# Allegro board AM335x_ICE_3H0013_PCB_REV_2_1A.brd (continued)
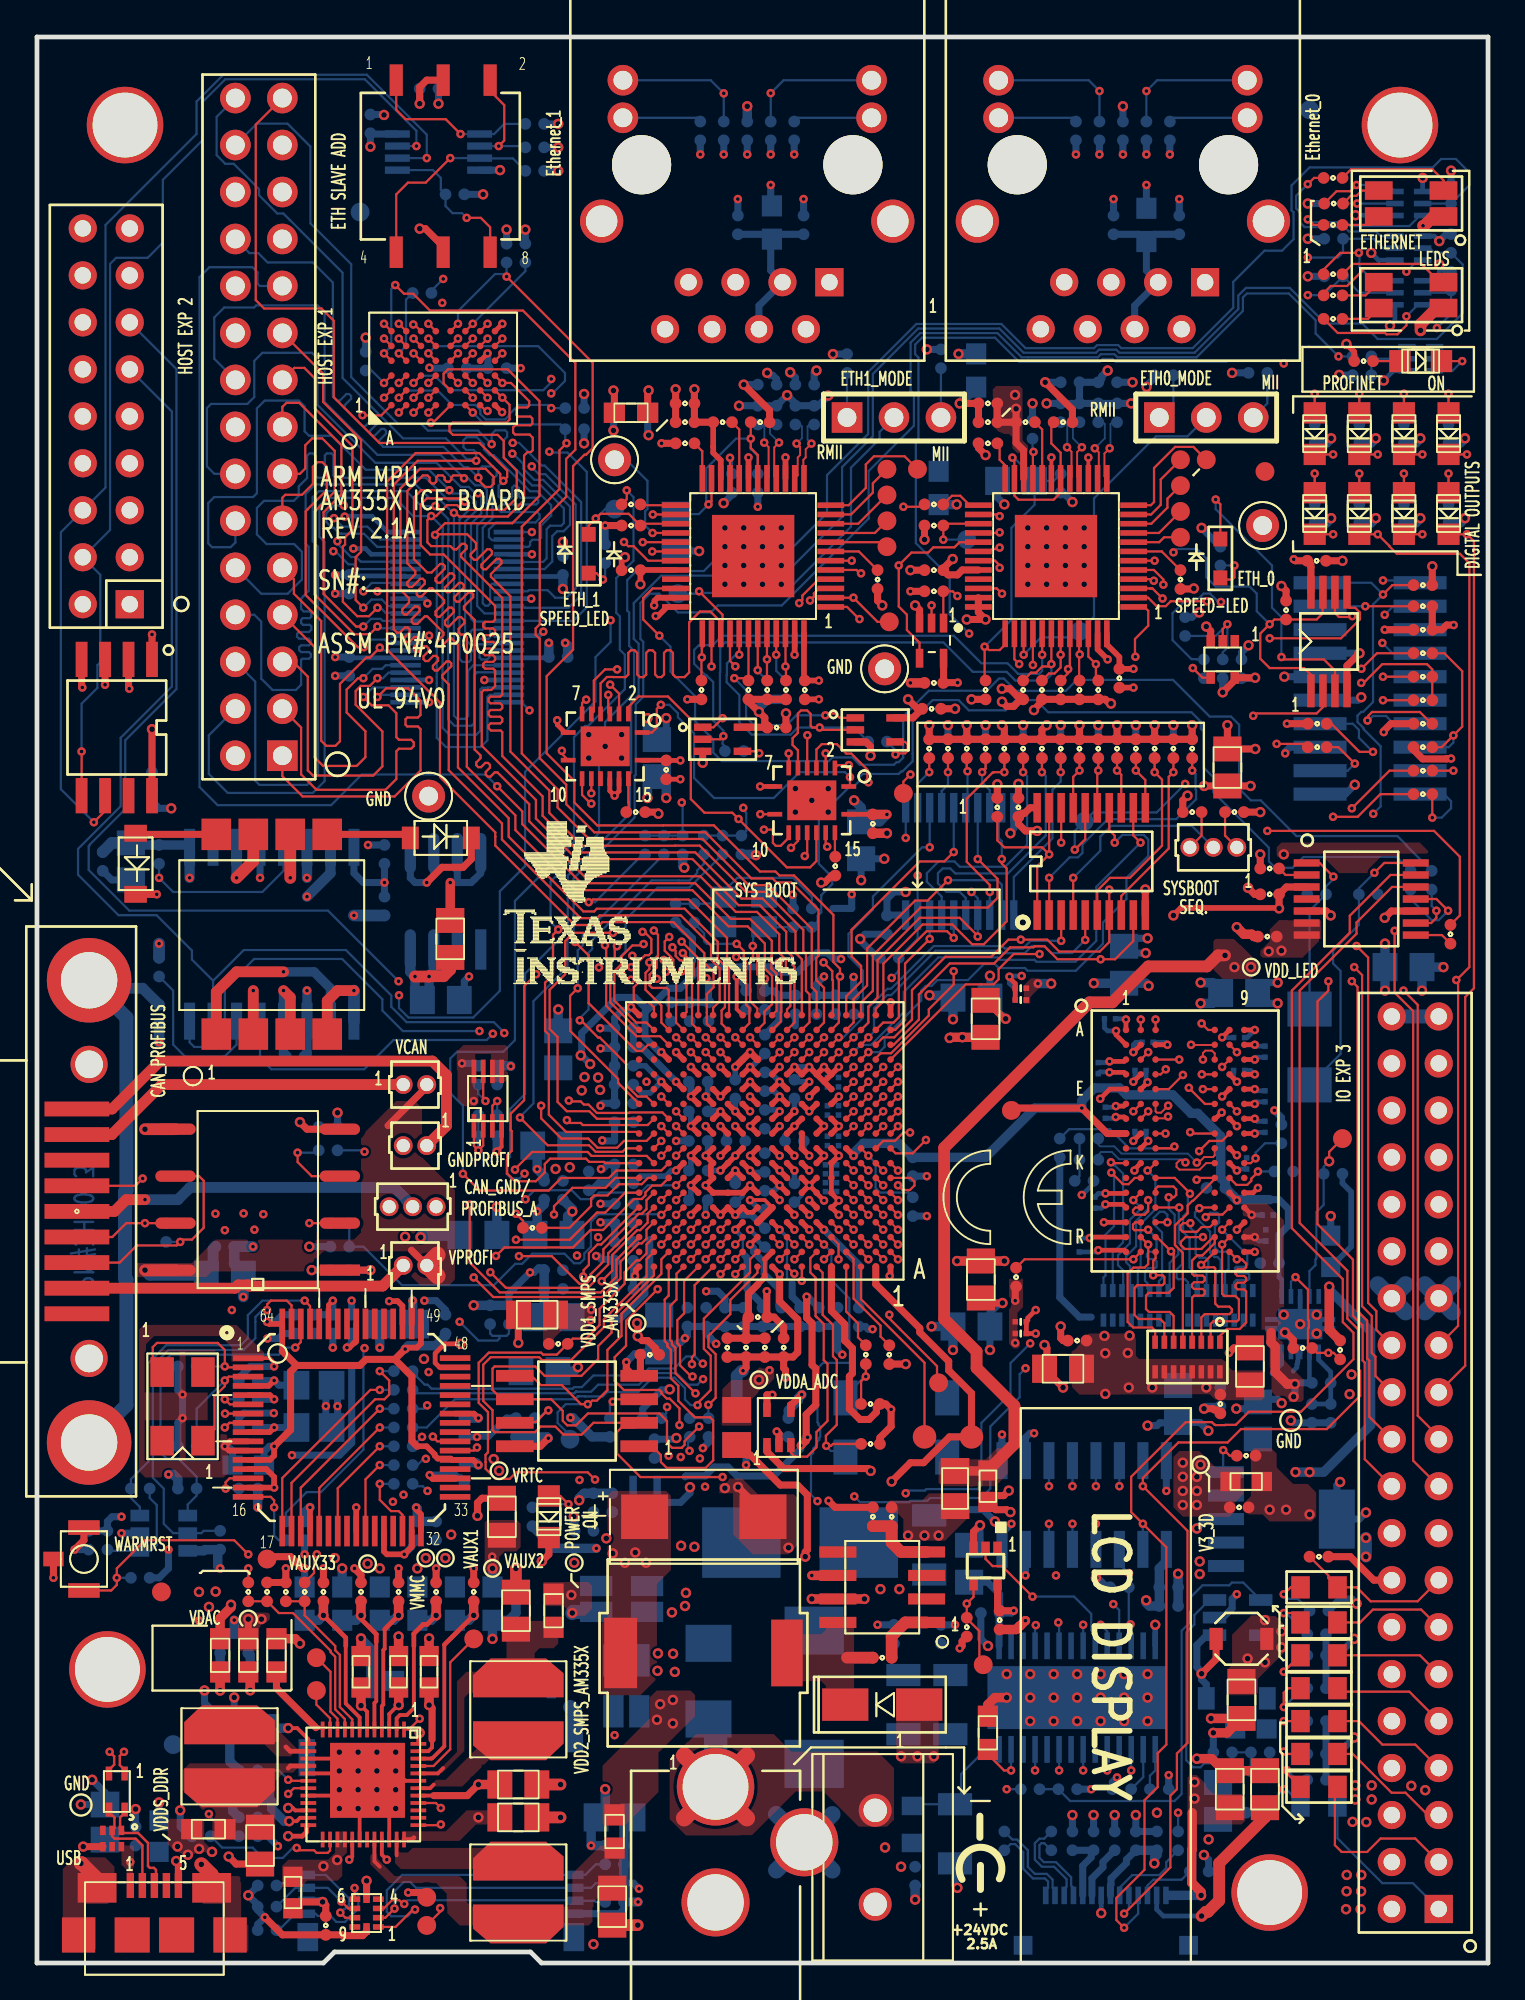
[diagram p0: board, top side]
## Routing (per net, layer and track width the routed paths; a pad name or vN(x,y) marks a point on that pad's centre or on a via; arc(x,y) is an arc through that point) (continued)
N28737675: length 7.4
  TOP w0.121: U14.G17 33.05,42.45 32.71,42.11 31.47,42.11 30.86,41.5 30.13,41.5 29.97,41.34 29.97,40.93 28.8,39.75 R58.2
N28753994: length 11.2
  TOP w0.121: SW1.4 19.43,95.63 20.07,96.27 21.03,96.27 v1(22.35,97.59)
  BOTTOM w0.121: R100.2 25.74,97.57 23.96,97.57 U25.3 v1(22.35,97.59)
N28754074: length 8.4
  TOP w0.121: v1(23.24,94.36) 24,94.36 24.51,93.85 SW1.8
  BOTTOM w0.121: v1(23.24,94.36) 22.99,94.61 22.48,94.61 22.1,95 R87.2 21.84,95.89 21.84,96.52 21.42,96.94 U25.5
N28785526: length 2.4
  BOTTOM w0.121: R112.2 J19.1
N28785533: length 2.7
  BOTTOM w0.121: 48.9,83.57 R110.2
N28944514: length 2.6
  BOTTOM w0.121: R114.2 61.47,84.33 J18.1
N28944521: length 2.7
  BOTTOM w0.121: R113.2 66.55,84.33 J18.3
N29141166: length 15.7
  TOP w0.121: U12.14 72.87,59.48 v1(72.34,58.95)
  BOTTOM w0.121: Y1.1 70.51,49.16 70.51,53.64 70.1,54.05 70.1,54.74 71.5,56.13 C89.2 71.5,58.11 v1(72.34,58.95)
N29141233: length 9.4
  TOP w0.121: U12.1 69.38,59.48 v1(70.12,58.74)
  BOTTOM w0.121: v1(70.12,58.74) 70.12,58.61 69.72,58.21 C90.2 68.83,56.9 Y1.2
N29141536: length 1.6
  TOP w0.121: R39.1 67.53,58.83 U12.2
N29149555: length 2.1
  TOP w0.121: R42.1 75.99,55.58 U12.8
N29149585: length 2.9
  TOP w0.121: U12.9 75.41,56.23 75.69,56.52 v1(75.69,56.9)
  BOTTOM w0.121: 75.44,58.04 75.44,57.15 v1(75.69,56.9)
N29149616: length 5.2
  TOP w0.121: U12.11 75.69,57.53 v1(76.33,56.9)
  BOTTOM w0.121: 74.3,58.04 74.3,57.53 75.44,56.39 75.82,56.39 v1(76.33,56.9)
N29208060: length 2.2
  TOP w0.121: R37.1 62.99,60.96 J5.1

## Copper pours and planes (outline as drawn; the poured copper is in the pictures)
DGND on TOP: 67.31,60.58 74.8,60.58 75.56,59.82 74.68,58.93 67.31,58.93 67.06,59.18 67.06,60.33
DGND on TOP: 46.48,11.05 46.74,10.8 48.51,10.8 48.77,11.05 48.77,13.84 48.51,14.1 46.74,14.1 46.48,13.84
DGND on TOP: 5.53,26.58 5.53,34.26 5.77,34.5 10.35,34.5 10.35,34.5 10.8,34.5 12.29,33.01 12.29,32.55 12.2,32.47 10.35,32.47 10.35,26.5 10.1,26.25 5.86,26.25
DGND on TOP: 41.17,22.62 40.64,22.1 38.73,22.1 36.91,23.92 36.91,25.93 37.18,26.2 38.14,26.2 38.99,25.34 40.93,25.34 41.17,25.11
DGND on TOP: 65.66,27.66 65.66,25.27 65.28,24.89 65.28,24.51 65.53,24.26 66.29,24.26 66.67,23.88 68.94,23.88 69.19,24.13 69.19,25.45 68.73,25.91 67.94,25.91 67.06,26.8 67.06,27.53 66.75,27.84 65.84,27.84
DGND on TOP: 40.26,54.23 40.39,54.1 40.39,52.2 39.75,51.56 38.48,51.56 38.1,51.94 38.23,52.07 38.23,53.72 38.86,54.36 38.99,54.23
DGND on TOP, BOTTOM: 53.39,51.91 53.39,52.87 53.75,53.24 54.19,53.24 54.34,53.09 54.34,52.84 53.83,52.33 53.83,52.33 53.73,52.23 53.73,51.91 53.7,51.87 53.42,51.87
DGND on BOTTOM: 68.63,59.49 72.57,59.49 73.28,58.78 73.28,45.72 72.26,44.7 67.82,44.7 66.8,45.72 66.8,50.42 65.53,51.69 65.53,52.83 66.04,53.34 66.04,56.9
DGND on BOTTOM: 43.97,44.55 44.12,44.55 44.68,45.11 47.42,45.11 47.32,45.21 50.8,45.21 55.2,49.61 58.5,49.61 59.24,48.87 61.31,48.87 61.79,48.39 62.97,48.39 62.97,48.38 63.42,48.38 65.72,46.09 66.42,46.09 66.58,45.93 66.58,44.84 66.55,44.81 68.76,42.59 68.76,37.95 68.15,37.34 67.82,37.34 67.31,36.83 67.31,35.31 69.62,35.31 69.62,33.76 68.15,33.76 68.11,33.73 66.5,33.73 66.12,34.11 66.12,37.52 62.69,40.94 62.69,42.38 61.62,43.45 57.71,43.45 56.24,41.98 56.24,39.1 56.29,39.1 56.83,38.56 56.83,35 56.52,34.69 56.88,34.33 56.88,31.34 57.95,30.27 58.63,30.95 67.59,30.95 67.59,30.13 67.06,29.59 64.9,29.59 64.01,28.7 57.45,28.7 53.85,32.3 53.85,40 51.89,41.96 47.74,41.96 47.34,42.36 47.34,42.47 47.17,42.47 46.2,43.43 44.7,43.43 44.42,43.15 44.02,43.15 43.87,43.31 43.87,44.45
DGND on BOTTOM: 40.16,11.96 40.16,9.33 40,9.17 40.02,9.17 39.17,8.32 39.17,4.82 40.14,3.85 43.2,3.85 44.16,4.82 44.16,7.86 43.67,8.36 43.67,11.96 43.47,12.16 40.37,12.16
DGND on BOTTOM: 63.25,6.35 63.75,6.35 64.39,6.99 64.77,6.99 65.79,8 65.79,8.26 65.53,8.51 63.12,8.51 62.99,8.38 62.99,6.6
DGND on BOTTOM: 36.14,54.05 35.87,54.32 35.87,55.12 37.5,56.75 37.5,58.71 36.6,57.81 35.36,57.81 35.36,58.23 36.32,59.19 40.2,59.19 40.69,59.68 40.69,63.43 36.9,63.43 36.07,64.26 36.07,64.26 35.14,65.19 33.1,65.19 32.41,65.88 32.41,67.33 32.73,67.64 32.89,67.64 32.89,72.9 33.08,73.09 33.15,73.03 33.15,73.53 33.4,73.79 34,73.79 35.56,72.22 35.56,71.37 36.45,70.48 36.45,66.93 37.21,66.17 43.18,66.17 43.43,66.42 44.32,66.42 44.32,66.89 47.29,69.86 47.83,69.86 47.82,69.86 54.72,69.86 55.84,70.98 60.75,70.98 61.4,70.33 63.11,70.33 66.66,66.78 66.66,63.4 67.98,62.08 75.08,62.08 76.27,60.89 76.27,56.46 75.08,56.46 74.54,56.99 74.54,58.67 73.58,59.63 67.24,59.63 63.09,63.78 63.09,67.58 62.44,68.24 48.89,68.24 47.29,66.64 47.29,65.12 45.98,63.81 44.32,63.81 44.32,60.71 45.34,60.71 46.1,59.94 46.1,59.69 44.32,57.91 44.32,56.77 44.07,56.52 43.31,56.52 43.08,56.29 43.08,55.82 41.31,54.05
DGND on BOTTOM: 49.15,10.8 49.66,11.3 49.66,12.95 45.72,12.95 45.59,12.83 45.59,11.18 45.97,10.8
DGND on BOTTOM: 37.34,46.86 37.34,45.34 37.97,44.7 37.97,44.2 37.72,43.94 36.96,43.94 36.7,43.69 36.7,42.93 36.96,42.67 37.34,42.67 37.34,42.16 37.47,42.04 38.35,42.04 38.42,42.1 39.12,41.4 40.13,41.4 40.51,41.78 41.27,41.78 42.29,40.77 42.93,40.77 42.93,48.26 40.77,48.26 40.01,47.5 39.12,47.5 38.73,47.88 38.35,47.88 38.23,47.75 38.23,47.24 38.1,47.12 37.59,47.12
DGND on LYR2_GND: 0.65,103.5 77.85,103.5 77.85,0.64 27.56,0.64 26.96,1.23 15.83,1.23 15.23,0.64 0.65,0.64
DGND on LYR4: 52.2,74.93 57.53,74.93 61.59,70.87 61.59,63.25 61.98,62.87 66.42,62.87 67.44,61.85 67.44,60.83 66.87,60.26 59.75,60.26 58.67,61.34 58.67,70.74 57.28,72.14 56.77,72.14 55.63,73.28 51.94,73.28 51.56,73.66 51.56,74.3
GND_EARTH on TOP: 9.53,0.64 9.53,2.67 8.64,3.56 8.64,4.32 9.02,4.7 10.92,4.7 11.05,4.57 11.05,2.41 11.43,2.03 11.43,0.64
GND_EARTH on TOP: 1.4,0.76 1.4,5.08 2.03,5.72 3.68,5.72 4.19,5.21 4.19,3.56 3.17,2.54 3.17,0.76
GND_EARTH on BOTTOM: 28.27,0.82 27.74,1.34 14.89,1.34 14.43,0.89 2.92,0.89 1.65,2.16 1.65,5.46 2.02,5.83 2.65,5.83 3.05,6.22 3.05,7.29 3.12,7.36 4.35,7.36 4.48,7.23 4.48,4.93 4.97,4.45 7.38,4.45 8.52,5.59 10.41,5.59 11.94,7.11 13.72,7.11 14.22,7.62 14.22,11.94 18.54,16.26 29.08,16.26 29.97,15.37 29.97,11.79 29.54,11.36 28.89,11.36 28.07,12.19 28.07,12.95 27.3,13.72 20.95,13.72 20.26,13.02 19.11,13.02 18.41,12.32 16.26,12.32 15.49,11.56 15.49,5.97 14.22,4.7 11.18,4.7 10.92,4.45 10.92,2.67 11.18,2.41 27.98,2.41 28.27,2.12 30.4,2.12 30.62,1.9 30.62,0.96 30.48,0.82
GND_EARTH on LYR2_GND: 1.27,2.03 2.16,1.14 13.34,1.14 14.2,2.01 30.14,2.01 30.48,1.67 30.48,0.51 27.56,0.51 27.05,1.02 15.75,1.02 15.24,0.51 1.18,0.51 0.64,1.05 0.64,24.81 0.72,24.89 1.02,24.89 1.27,24.64
GND_EARTH on LYR5_PWR: 0.77,24.89 1.02,24.89 1.27,24.64 1.27,3.19 3.31,1.14 13.34,1.14 13.97,1.78 27.94,1.78 28.32,2.16 30.35,2.16 30.48,2.03 30.48,0.51 27.56,0.51 27.05,1.02 15.75,1.02 15.24,0.51 0.91,0.51 0.66,0.76 0.66,24.78
GND_OSC1 on BOTTOM: 42.16,26.16 42.16,32.26 42.42,32.51 50.29,32.51 50.55,32.26 50.55,26.16 50.29,25.91 42.42,25.91
GNDA_ADC on LYR4: 39.62,37.34 39.88,37.08 40.39,37.08 40.64,37.34 40.64,39.75 41.15,40.26 41.15,40.51 41.02,40.64 40.26,40.64 39.62,40.01
GNDPROFI on LYR5_PWR: 1.27,25.15 5.59,25.15 6.1,25.65 6.1,33.27 6.6,33.78 10.92,33.78 11.43,34.29 11.43,37.08 12.83,38.48 18.67,38.48 20.7,40.51 20.7,45.34 17.02,49.02 9.4,49.02 8.89,49.53 8.89,53.59 9.4,54.1 18.54,54.1 19.05,53.59 19.05,52.58 19.56,52.07 23.62,52.07 24.13,52.58 24.13,57.15 23.62,57.66 17.02,57.66 16.51,58.17 16.51,60.96 16,61.47 7.92,61.47 7.65,61.2 7.65,57.04 6.88,56.27 4.97,56.27 4.7,56.01 1.27,56.01
V3_3D on TOP: 61.72,27.69 62.87,27.69 63.75,26.8 65.15,26.8 65.28,26.67 65.28,25.4 64.77,24.89 64.77,24.38 64.52,24.13 61.98,24.13 61.47,24.64 61.47,27.43
V3_3D on TOP: 67.18,56.39 66.67,55.88 66.67,55.24 66.17,54.74 66.17,54.48 66.29,54.36 68.45,54.36 69.34,55.24 69.34,55.37 69.47,55.37 69.47,56.39
V3_3D on BOTTOM: 64.9,25.78 63.12,25.78 62.99,25.91 62.99,27.18 62.74,27.43 61.85,27.43 61.72,27.3 61.72,24.51 61.85,24.38 62.87,24.38 62.99,24.51 62.99,24.64 63.25,24.89 64.9,24.89
V3_3D on LYR5_PWR: 4.45,56.26 1.27,56.26 1.27,102.87 77.22,102.87 77.22,10.92 76.83,10.54 61.72,10.54 56.39,5.21 51.05,5.21 49.53,6.73 49.53,23.98 48.62,24.89 27.94,24.89 25.61,22.55 25.61,22.44 23.19,20.02 11.13,20.02 9.06,17.95 2.88,17.95 1.52,19.31 1.52,24.64 1.78,24.89 5.84,24.89 6.35,25.4 6.35,33.02 6.86,33.53 11.18,33.53 11.68,34.04 11.68,36.83 12.67,37.82 17.75,37.82 17.78,37.85 17.78,48.77 17.27,49.28 9.65,49.28 9.14,49.78 9.14,53.34 9.65,53.85 18.29,53.85 18.8,53.34 18.8,52.32 19.3,51.82 23.88,51.82 24.38,52.32 24.38,61.21 19.56,66.04 5.59,66.04 5.08,65.53 5.08,56.9 ; 1 cut-out
V5_0D on TOP: 25.15,7.49 25.15,8.26 23.24,8.26 22.11,7.12 19.81,7.12 19.81,6.48 22.73,6.48 23.75,7.49
V5_0D on TOP: 46.14,25.01 47.87,25.01 48.26,25.4 50.29,25.4 50.42,25.27 50.42,24.13 49.02,22.73 47.12,22.73 46.86,22.99 46.86,24 46.54,24.32 46.08,24.32 45.91,24.49 45.91,24.78
V5_0D on TOP: 16.76,7.11 16.76,5.97 16.51,5.72 16.51,4.7 16.26,4.45 14.61,4.45 14.35,4.19 14.35,4.1 13.26,4.1 13.26,5.24 13.6,5.59 15.75,5.59 16.13,5.97 16.13,7.11
V5_0D on TOP: 33.53,20.48 33.53,15.37 32.64,14.48 30.73,14.48 30.54,14.67 30.54,18.35 30.86,18.67 30.86,25.27 31.11,25.53 34.04,25.53 34.29,25.27 34.29,21.25
V5_0D on TOP: 64.39,14.48 64.39,15.88 64.64,16.13 64.64,17.75 65.68,18.8 66.67,18.8 66.71,18.76 66.99,18.76 67.61,18.14 67.61,16.94 66.04,15.37 66.04,14.61 65.91,14.48
V5_0D on BOTTOM: 66.93,16.13 66.93,15.75 66.8,15.62 65.41,15.62 65.15,15.88 65.15,18.67 65.41,18.92 66.8,18.92 66.92,18.81 66.94,18.81 67.61,18.14 67.61,16.81
V5_0D on BOTTOM: 31.95,24.44 32.37,24.44 32.37,23.13 32.42,23.08 33.38,23.08 33.41,23.12 33.41,24.44 33.78,24.44 33.78,22.73 34.17,22.35 34.17,21.29 34.11,21.22 30.93,21.22 30.67,21.49 30.67,22.67 30.42,22.92 29.91,22.92 29.72,23.11 29.72,24.64 29.84,24.77 31.62,24.77
V5_0D on BOTTOM: 71.25,36.79 71.89,37.43 77.02,37.43 77.2,37.25 77.2,36.97 77.22,36.96 77.22,22.73 74.68,20.19 67.44,20.19 67.44,20.45 65.66,22.23 65.28,22.23 65.15,22.35 63.5,22.35 63.5,23.11 65.28,23.11 65.41,23.24 65.41,27.05 65.15,27.3 65.15,28.96 65.41,29.21 66.93,29.21 67.69,28.45 67.69,25.78 68.96,24.51 68.96,21.97 71.37,21.97 71.75,22.35 71.75,28.7 72.39,29.34 72.39,34.8 71.25,35.94
V5_0D on LYR3: 72.01,37.42 72.33,37.74 76.95,37.74 77.22,37.47 77.22,10.48 74.58,7.85 72.76,7.85 72.28,7.36 72.28,7.35 72.25,7.35 72.23,7.33 69.78,7.33 68.45,8.66 68.45,15.11 67.44,16.13 66.93,16.13 66.67,15.88 65.35,15.88 65.13,16.1 65.13,16.97 65.79,17.63 65.79,18.54 66.04,18.8 66.93,18.8 67.18,18.54 67.94,18.54 68.45,19.05 68.45,22.99 72.01,26.54
V5_0D on LYR4: 77.23,55.75 77.23,34.75 76.93,34.45 73.03,34.45 73.03,34.45 72.66,34.45 71.94,35.16 71.94,36.68 72.45,37.18 72.45,46.49 74.44,48.49 74.44,51.56 73.66,52.34 73.66,55.24 73.79,55.37 73.79,76.2 72.64,77.34 69.6,77.34 69.22,77.72 69.22,82.93 69.98,83.69 77.34,83.69 77.66,83.38 77.66,76.83 76.96,76.14 76.96,56.02
V5_0D on LYR5_PWR: 44.69,25.15 48.77,25.15 49.28,24.64 49.28,18.03 48.77,17.53 48.77,16.89 49.28,16.38 49.28,6.22 50.8,4.7 56.64,4.7 61.98,10.03 77.22,10.03 77.22,1.91 76.58,1.27 31.24,1.27 30.35,2.16 13.84,2.16 13.08,1.4 12.09,1.4 12.09,11.96 14.44,14.31 22.84,14.31 24.9,14.3 27.24,16.64 28.26,17.51 30.49,19.74 30.49,21.59 30.48,21.6 30.48,22.05 31.09,22.66 32.83,22.66 33.17,22.32 41.87,22.32
V13 on TOP: 62.23,10.03 62.23,8 62.74,7.49 65.15,7.49 65.41,7.75 65.41,8.89 65.15,9.14 63.63,9.14 63.25,9.53 63.25,9.65 62.74,10.16 62.36,10.16
V13 on BOTTOM: 67.06,14.73 67.06,10.03 66.04,9.02 63.12,9.02 62.69,8.59 62.48,8.59 62.33,8.74 62.33,10.01 62.87,10.54 66.22,10.54 66.29,10.62 66.29,12.45 65.91,12.83 65.91,14.73 66.17,14.99 66.8,14.99
V24_0HVS on BOTTOM: 42.16,20.7 42.16,24.38 42.42,24.64 46.23,24.64 46.61,24.26 46.61,22.1 46.86,21.84 49.15,21.84 49.28,21.72 49.28,20.32 48.51,19.56 45.47,19.56 45.09,19.18 45.09,17.78 45.47,17.4 49.53,17.4 50.04,16.89 50.04,15.11 49.91,14.99 45.47,14.99 44.32,16.13 40.39,16.13 40.01,16.51 40.01,19.3 40.64,19.94 41.4,19.94
V24_0HVS on BOTTOM: 45.52,6.65 45.52,5.64 46.28,4.88 47.96,4.88 48.06,4.98 48.06,7.06 48.01,7.11 46.02,7.11 45.57,6.65
V24_0HVS on LYR3: 47.07,10.37 47.07,7.34 46.48,6.75 45.42,6.75 45.38,6.71 45.38,5.92 48.55,2.75 62.02,2.75 65.34,6.08 67.76,6.08 68.49,5.35 68.51,5.35 69.57,4.29 69.57,2.36 70.4,1.53 74.57,1.53 74.88,1.83 74.88,6.56 74.59,6.85 73.14,6.85 73.13,6.85 69.39,6.85 68.65,7.59 62.36,7.59 61.03,6.26 52.3,6.26 51.28,7.27 51.28,13.04 49.93,14.39 49.88,14.39 49.24,15.03 49.24,18.88 47.39,20.73 44.59,20.73 44.31,20.45 41.49,20.45 40.73,19.69 40.73,16.71
V24_0HVS on LYR4: 72.1,21.84 72.1,21.42 69.88,19.2 69.88,3.08 71.46,1.5 74.68,1.5 75.39,2.21 75.39,21.07 74.41,22.05 72.31,22.05
V24_IN on TOP: 41.04,9.27 42.55,9.27 44.45,7.37 45.97,7.37 46.35,7.75 46.35,10.54 45.47,11.43 40.8,11.43 39.85,12.38 35.64,12.38 35.24,11.97 35.24,12 34.22,10.99 34.22,7.78 35.1,6.9 38.04,6.9 38.06,6.91 38.68,6.91
V24_IN on BOTTOM: 38.1,9.12 36,7.02 34.33,7.02 33.29,8.07 33.29,10.63 33.3,10.63 33.3,11.05 34.3,12.05 34.73,12.05 35.06,12.38 35.06,14.12 35.32,14.38 37.8,14.38 38.1,14.07
V24_IN on LYR3: 8.44,20.38 8.81,20.75 9.91,20.75 10.06,20.6 10.06,19.93 9.61,19.47 9.54,19.4 9.54,18 10.87,16.67 10.98,16.78 11.86,16.78 12.74,15.91 35.78,15.91 39.48,12.21 43.48,12.21 46.37,9.32 46.37,8.5 45.82,7.95 44.29,7.95 42.75,9.49 39.4,9.49 38.2,8.28 36.22,8.28 30.13,14.37 11.42,14.37 8.44,17.35
V24_IN on LYR4: 8.32,20.68 8.32,18.35 8.46,18.2 9.72,18.2 10.08,18.55 10.08,20.49 9.85,20.72 9.85,21.96 6.9,24.9 6.9,55.08 1.8,60.19 1.8,94.26 2.02,94.48 3.33,94.48 3.52,94.29 3.52,93.29 4.21,92.61 6.12,92.61 7.09,93.57 7.09,95.93 6.68,96.34 1.69,96.34 0.7,95.36 0.7,58.32 5.03,53.99 5.03,51.46 4.49,50.91 4.49,33.03 5.14,32.37 5.14,25.29 5.03,25.18 5.03,23.97
VDD1_SMPS on TOP: 30.59,7.52 30.59,10.67 33.13,13.22 33.13,14.35 33.52,14.73 35.35,14.73 35.6,14.49 35.6,13.34 33.61,11.36 33.61,9.25 31.79,7.43 30.68,7.43
VDD1_SMPS on BOTTOM: 32,14.35 32,12.7 32.26,12.45 34.52,12.45 34.68,12.61 34.68,14.47 34.54,14.61 32.26,14.61
VDD1_SMPS_AM335X on BOTTOM: 35.69,36.32 36.07,36.7 37.21,36.7 37.47,36.96 37.47,39.75 37.59,39.88 37.97,39.88 38.23,40.13 38.23,41.59 37.85,41.4 37.34,41.4 37.34,42.16 37.08,42.42 36.07,42.42 35.94,42.29 35.94,41.78 36.07,41.66 36.7,41.66 36.7,40.89 35.56,39.75 35.56,38.86 35.31,38.61 33.91,38.61 33.66,38.35 33.66,36.7 32,35.05 32,33.66 32.26,33.4 32.77,33.4 32.77,33.66 33.15,34.04 34.67,34.04 34.67,35.18 36.58,35.18 36.58,35.81 36.45,35.94 35.81,35.94 35.69,36.07
VDD1_SMPS_AM335X on BOTTOM: 32,17.27 32,15.24 34.59,15.24 34.77,15.43 34.77,17.19 34.72,17.24 34.69,17.24 34.54,17.4 32.13,17.4
VDD1_SMPS_AM335X on LYR4: 33.68,15.09 33.2,15.57 33.2,16.74 33.78,17.32 35.36,17.32 35.38,17.3 35.43,17.3 35.76,17.63 35.91,17.63 35.91,20.33 35.34,20.9 34.12,20.9 33.44,21.58 32.56,21.58 30.91,23.23 30.91,34.05 32.08,35.22 32.78,35.22 33.19,34.81 33.19,33.71 32.92,33.43 32.92,33.4 32.45,32.93 32.45,25.47 34.1,23.82 34.1,22.14 34.59,21.65 35.8,21.65 37.3,20.15 37.3,17.08 35.31,15.09
VDD2_SMPS on TOP: 27.39,20.6 29.83,20.6 30.02,20.41 30.02,19.15 29.63,18.77 29.03,18.77 28.49,19.3 27.43,19.3 27.39,19.34
VDD2_SMPS on BOTTOM: 31.12,18.38 28.3,18.38 27.78,18.9 27.78,19.65 28.37,20.24 29.07,20.24 29.73,19.58 31.12,19.58
VDD2_SMPS_AM335X on BOTTOM: 28.08,45.03 28.08,44.19 27.8,43.91 27.8,42.54 28.38,41.96 28.57,41.96 29.21,42.6 30,42.6 30.03,42.63 30.03,43 30.02,43.01 29.56,43.01 29.46,43.11 29.46,45.04 29.47,45.05 28.3,45.05 28.28,45.03
VDD2_SMPS_AM335X on BOTTOM: 34.62,18.41 35.46,19.25 35.46,20.12 35.26,20.32 34.66,20.32 34.53,20.19 34.53,19.86 34.22,19.56 32.01,19.56 31.98,19.52 31.98,18.51 32.07,18.41
VDD2_SMPS_AM335X on LYR3: 43.18,47.57 43.18,41.3 42.65,40.77 33.4,40.77 32.51,39.88 29.8,39.88 29.51,39.58 28.13,39.58 27.47,40.25 27.47,43.27 27.63,43.43 34.54,43.43 35.26,44.15 35.26,44.45 35.14,44.56 35.14,46.95 35.31,47.12 37.97,47.12 38.99,48.13 42.62,48.13
VDD2_SMPS_AM335X on LYR4: 28.18,21.94 27.82,22.3 27.82,30.99 27.56,31.25 27.56,33 27.56,33 27.82,33.27 27.82,39.03 27.94,39.14 27.94,40.39 28.28,40.73 28.28,41.08 28.02,41.34 28,41.34 27.31,42.04 27.31,43.33 27.55,43.57 29.14,43.57 30.65,42.07 30.65,39.16 29.59,38.1 28.95,38.1 28.95,22.78 31.41,20.32 35.15,20.32 35.36,20.12 35.36,18.44 35.2,18.29 33.96,18.29 33.95,18.28 30.54,18.28 28.18,20.63
VDD_LED on TOP: 63.63,55.24 63.63,53.72 64.14,53.21 65.66,53.21 66.04,53.59 66.04,54.1 64.77,55.37 63.75,55.37
VDD_LED on TOP: 48.77,27.08 48.77,25.96 48.97,25.76 51.82,25.76 52.53,26.47 52.53,27.48 52.17,27.84 51.92,27.84 51.31,27.23 49.07,27.23 49.07,27.23 48.92,27.23
VDD_LED on LYR3: 67.18,54.36 67.44,54.61 67.44,56.13 67.18,56.39 64.9,56.39 64.64,56.13 64.14,56.13 63.5,55.5 63.5,54.23 64.39,53.34 66.93,53.34 67.18,53.59
VDDA_ADC on TOP: 37.03,29.11 37.03,30.99 37.58,31.53 38.4,31.53 39.07,32.21 39.78,32.21 39.88,32.11 39.88,31.6 39.12,30.84 39.01,30.84 38.66,30.48 38.66,29.11 38.61,29.06 37.08,29.06
VDDS_DDR on TOP: 52.58,36.96 52.58,33.48 52.83,33.22 53.04,33.22 53.16,33.35 53.16,33.45 53.04,33.58 53.04,35.15 53.34,35.46 53.34,36.96 53.21,37.08 52.7,37.08
VDDS_DDR on TOP: 65.38,41.06 66.53,41.06 67.45,40.14 67.45,32.6 68.52,31.54 68.52,30.43 68.43,30.34 67.33,30.34 66.23,31.44 66.23,38.41 65.79,38.85 65.22,38.85 65.22,40.9
VDDS_DDR on TOP: 8.94,7.8 7.16,7.8 7.07,7.7 7.07,6.44 7.75,5.76 9.6,5.76 9.74,5.89 9.74,6.08 9.54,6.27 9.32,6.27 9.05,6.54 9.05,7.68
VDDS_DDR on BOTTOM: 43.18,48.03 43.18,45.59 43.05,45.47 43.05,45.09 43.18,44.96 43.18,43.94 43.05,43.81 43.05,43.43 43.18,43.31 43.18,42.29 43.05,42.16 43.05,41.91 43.18,41.78 43.18,40.77 43.05,40.64 43.05,40.26 43.18,40.13 43.67,40.13 43.81,40.28 43.81,44.96 44.78,45.92 44.78,47.7 44.45,48.03
VDDS_DDR on LYR5_PWR: 1.83,3.31 1.86,12.13 1.87,12.13 1.87,12.52 1.88,12.53 1.88,13.43 5.83,17.39 9.63,17.39 11.36,19.12 23.96,19.12 26.29,21.45 26.29,22.18 26.27,22.2 26.27,23.47 28.31,25.5 35.47,25.5 36.77,26.81 36.77,31.62 43.05,37.9 43.05,47.2 45.03,49.17 45.05,49.17 45.85,49.97 45.85,50.54 47.93,52.62 48.1,52.62 51.24,55.75 63.37,55.75 66.54,52.59 66.54,40.78 66.53,40.78 66.53,38.8 62.95,35.21 55.28,35.21 53.18,33.12 50.19,33.12 49.49,32.41 49.47,32.41 44.34,27.28 44.34,25.67 41.41,22.74 33.65,22.74 33.17,23.22 30.94,23.22 29.77,22.05 29.77,20.01 29.38,19.62 29.38,19.59 24.67,14.88 13.87,14.88 11.67,12.68 11.67,2.34 11.08,1.75 3.39,1.75
PH on TOP: 40.39,15.49 40.39,17.53 40.64,17.78 42.42,17.78 42.67,18.03 42.67,18.29 42.93,18.54 43.94,18.54 44.2,18.29 44.2,13.97 43.94,13.72 42.93,13.72 42.67,13.97 42.67,14.99 42.42,15.24 40.64,15.24
PWR_SWIO on TOP: 13.72,11.18 13.93,11.39 15.03,11.39 15.03,11.56 14.1,11.56 12.7,12.95 8.89,12.95 8.89,11.94 12.19,11.94 12.95,11.18
PWR_VDD1_SMPS on TOP: 18.41,5.92 18.41,5.64 19.35,4.7 22.86,4.7 23.24,4.32 23.24,3.3 23.5,3.05 28.7,3.05 28.96,3.3 28.96,4.83 30.48,6.35 31.62,6.35 31.62,3.56 30.35,3.56 30.1,3.3 30.1,2.29 29.84,2.03 22.86,2.03 22.16,2.73 22.16,3.75 21.59,4.32 19.05,4.32 18.03,5.33 18.03,5.82 18.14,5.92 18.41,5.92
PWR_VDD2_SMPS on TOP: 20.7,10.41 20.7,10.16 21.97,10.16 23.11,11.3 23.11,14.35 23.37,14.61 26.8,14.61 26.92,14.73 26.92,16.76 27.18,17.02 27.94,17.02 28.19,17.27 28.19,18.5 25.4,18.5 25.4,15.75 23.24,15.75 22.61,15.11 22.61,11.56 21.46,10.41
PWR_VDDS_DDR on TOP: 13.34,10.29 13.84,10.29 14.1,10.54 15.07,10.54 15.07,10.8 8.26,10.8 7.87,10.41 7.87,9.36 9.48,7.75 9.48,6.71 9.55,6.65 12.84,6.65 12.89,6.7 12.89,9.84
USB_DC on TOP: 4.41,6.31 4.41,6.16 4.58,6 4.58,5.57 4.58,5.31 4.85,5.03 4.85,3.57 4.86,3.57 5.24,3.57 5.24,6.3 5.17,6.38 4.48,6.38
USB_DC on BOTTOM: 4.89,6.62 7.06,6.62 7.15,6.52 7.15,5.36 6.94,5.15 4.9,5.15 4.82,5.23 4.82,6.55
USB_DC on BOTTOM: 14.51,34.4 14.51,32.97 15.23,32.26 16.85,32.26 16.85,30.85 17.3,30.85 17.4,30.95 17.4,32.69 17.12,32.97 15.83,32.97 15.51,33.28 15.51,34.36 15.39,34.48 14.59,34.48
VADD33_PRUETH0 on TOP: 51.71,84.7 51.71,83.11 52.14,82.68 52.58,82.68 52.75,82.51 52.75,81.92 53.03,81.64 53.5,81.64 53.6,81.75 53.6,82.03 53.3,82.33 53.3,85.12 53.15,85.27 51.88,85.27 51.7,85.08 51.7,84.72
VADD33_PRUETH0 on BOTTOM: 51.68,82.29 52.92,82.29 53.27,82.64 53.27,85.05 52.9,85.42 51.74,85.42 50.46,84.14 50.46,84.12 47.88,81.53 47.88,80.26 48.13,80.01 49.4,80.01
VADD33_PRUETH1 on BOTTOM: 32.33,82.86 32.89,82.3 35.81,82.3 36.45,82.93 36.45,84.84 35.81,85.47 35.23,85.47 35.08,85.33 35.08,84.91 34.82,84.64 32.4,84.64 32.33,84.57
VAUX1 on BOTTOM: 22.1,19.91 22.1,21.18 21.84,21.44 21.84,22.1 22.2,22.45 22.2,23.52 22.35,23.67 22.81,23.67 23.16,23.32 23.16,19.86 23.11,19.81 22.05,19.81 22.05,19.86
VAUX1 on LYR4: 34.54,23.37 34.54,22.56 34.9,22.2 35.66,22.2 35.86,22.4 35.86,23.11 35,23.98 34.54,23.98 34.44,23.88 34.44,23.47
VAUX2 on TOP: 27.37,33.46 27.37,35.5 27.56,35.69 29.97,35.69 30.1,35.56 30.1,34.67 29.66,34.23 28.42,34.23 27.96,33.77 27.96,33.4 27.83,33.27 27.56,33.27
VAUX2 on TOP: 24.22,23.81 24.22,21.26 24.44,21.04 24.89,21.04 25,21.15 25,21.96 25.3,22.26 25.93,22.26 26.17,22.5 26.17,23.74 25.96,23.95 24.36,23.95
VAUX2 on BOTTOM: 35.56,50.29 35.56,49.15 36.07,48.64 36.07,48.39 36.2,48.26 36.96,48.26 37.08,48.39 37.08,48.51 36.7,48.9 36.7,50.8 36.41,51.09 36.41,51.69 34.92,51.69 34.92,50.93
VAUX2 on BOTTOM: 28.14,37.74 28.14,34.34 28.4,34.09 29.67,34.09 30.23,34.65 30.23,35.51 29.92,35.81 29.11,35.81 28.96,35.97 28.96,37.54 28.65,37.85 28.24,37.85
VAUX2 on BOTTOM: 62.43,21.89 62.43,21.03 62.79,20.68 64.92,20.68 65.33,21.08 65.33,21.84 65.23,21.95 62.48,21.95
VAUX2 on BOTTOM: 34.42,45.72 35.05,45.72 35.05,46.1 35.43,46.1 35.43,45.21 34.92,44.7 33.53,44.7 33.02,45.21 32.13,45.21 32.13,46.61 32.77,46.61 33.4,45.97 34.16,45.97
VAUX2 on BOTTOM: 41.66,48.39 43.81,48.39 43.94,48.51 43.94,50.42 44.41,50.88 44.41,51.69 42.34,51.69 41.91,51.26 41.91,48.9 41.66,48.64
VAUX2 on BOTTOM: 31.88,41.4 31.88,40.89 32.13,40.64 33.27,40.64 33.66,41.02 34.92,41.02 35.05,40.89 35.56,40.89 35.69,41.02 35.69,42.29 35.56,42.42 35.18,42.42 35.05,42.29 35.05,42.04 34.92,41.91 32.89,41.91 32.38,41.4
VAUX2 on LYR4: 35.76,28.09 35.76,27.69 35.56,27.48 35.56,27.08 35.66,26.97 36.17,26.97 36.47,27.28 36.47,27.89 36.17,28.19 35.86,28.19
VAUX2 on LYR5_PWR: 29.54,34.44 29.54,35.5 30.9,36.86 30.9,47.6 32.21,48.91 34.51,51.21 37.99,51.21 40.4,53.62 40.4,53.67 43.75,57.02 47.53,57.02 50.28,59.77 55.2,59.77 55.88,60.45 55.88,63.12 55.23,63.77 46.59,63.77 45.34,65.02 45.34,66.8 45.85,67.31 52.7,67.31 53.21,66.8 54.1,66.8 54.61,67.31 65.15,67.31 65.91,66.55 65.91,56.66 65.52,56.26 50.93,56.26 45.47,50.79 45.47,50.16 44.5,49.2 44.56,49.2 42.8,47.44 42.8,37.96 38.88,34.04 38.62,34.04 36.26,31.68 36.26,27.13 35.2,26.07 28.13,26.07 25.81,23.75 25.81,21.62 23.95,19.76 12.22,19.76 11.78,20.2 11.78,20.85 12.5,21.57 16.93,21.57 17.41,21.08 20.45,21.08 22.11,22.74 22.11,23.96 25.64,27.49 28.21,27.49 30.18,29.46 30.18,33.8
VAUX33 on BOTTOM: 69.44,38.2 70.51,38.2 70.61,38.1 70.61,35.81 70.46,35.66 69.19,35.66 69.19,37.08 69.44,37.34
VAUX33 on BOTTOM: 17.88,19.71 17.88,20.73 17.42,21.18 17.42,22.15 17.63,22.35 18.9,22.35 19.2,22.05 19.2,19.71 19.15,19.66 17.93,19.66
VAUX33 on LYR3: 30.05,48.22 30.05,47.17 30.25,46.96 30.77,46.96 31.87,48.06 31.87,48.32 33.09,49.54 33.71,49.54 33.91,49.74 33.91,50.28 33.67,50.52 32.34,50.52
VCAN0 on TOP: 5.46,37.85 8.38,37.85 9.65,39.12 17.14,39.12 17.53,39.5 17.53,44.7 19.43,46.61 20.45,46.61 20.83,46.23 20.83,43.56 22.61,41.78 22.61,36.95 22.29,36.64 20.73,36.64 20.19,37.17 20.19,38.48 15.49,38.48 14.41,37.4 9.47,37.4 9.16,37.08 5.33,37.08 5.33,37.72
VDAC on TOP: 10.87,16.92 10.87,18.34 10.97,18.44 10.97,18.8 11.13,18.95 12.5,18.95 12.6,18.85 12.6,18.59 12.24,18.24 12.14,18.24 11.99,18.08 11.99,16.87 10.92,16.87
VDAC on BOTTOM: 34.42,51.69 33.91,51.69 33.91,51.05 33.66,50.8 33.02,50.8 32.89,50.67 32.89,49.66 33.27,49.28 34.04,49.28 34.04,48.64 34.54,48.13 35.56,48.13 35.69,48.26 35.69,48.64 35.56,48.64 35.18,49.02 35.18,50.16 34.42,50.93
VDAC on BOTTOM: 41.53,50.73 41.21,51.05 41.21,51.69 40.73,51.69 40.73,51.05 40.39,50.71 40.39,49.15 40.01,48.77 40.01,48.39 40.13,48.26 40.89,48.26 41.53,48.9
VDAC on BOTTOM: 20.6,32.28 21.69,31.19 26.87,31.19 26.87,32.77 27.18,33.07 30.63,33.07 31.65,34.09 31.65,34.85 31.45,35.05 31.19,35.05 30.02,33.88 26.97,33.88 26.11,33.02 20.8,33.02 20.6,32.82
VDAC on BOTTOM: 33.27,38.86 33.53,39.12 34.92,39.12 35.18,39.37 35.18,39.75 35.31,39.88 35.56,39.88 35.69,40.01 35.69,40.64 35.56,40.77 34.92,40.77 34.8,40.89 33.4,40.89 32.77,40.26 32.13,40.26 32.13,38.86
VDAC on LYR3: 11.07,18.29 12.5,18.29 12.85,18.64 12.85,20.37 12.75,20.47 11.28,20.47 10.97,20.17 10.97,18.44 11.07,18.34
VDAC on LYR4: 42.29,41.15 42.04,40.89 39.93,40.89 39.22,40.18 39.22,39.27 39.07,39.12 36.83,39.12 36.07,39.88 35.31,39.88 35.05,40.13 35.05,40.77 35.53,41.25 38.58,41.25 38.96,41.63 38.96,42.11 38.53,42.55 36.96,42.55 36.7,42.8 36.7,43.69 36.45,43.94 35.43,43.94 35.43,48.01 35.18,48.26 35.18,48.51 35.31,48.64 35.43,48.64 35.56,48.51 36.2,48.51 36.58,48.9 42.04,48.9 42.29,48.64
VDAC on LYR4: 19.25,24.54 18.85,24.94 18.85,25.1 19.61,25.86 19.61,32.77 20.12,33.27 21.03,33.27 21.49,32.82 21.49,30.78 21.08,30.38 21.08,25.91 19.71,24.54
VDIG2 on BOTTOM: 42.42,40.39 42.01,40.79 39.88,40.79 39.67,41 39.01,41 38.91,40.89 38.91,40.49 39.32,40.08 40.18,40.08 40.59,39.67 41.05,39.67 41.15,39.57 41.15,36.96 43.05,35.05 43.69,35.05 43.69,35.94 42.42,37.21
VDIG2 on BOTTOM: 37.59,51.69 37.59,51.05 37.21,50.67 37.21,48.77 37.72,48.26 37.85,48.26 38.73,49.15 38.73,49.4 38.35,49.78 38.35,50.29 38.86,50.8 39.24,50.8 39.5,51.05 39.5,51.69
VDIG2 on BOTTOM: 15.85,19.71 15.85,21.39 15.49,21.74 15.49,22.2 15.7,22.4 16.66,22.4 17.07,22 17.07,19.76 16.97,19.66 15.9,19.66
VDIG2 on LYR4: 35.18,43.18 35.19,43.17 35.78,43.17 36.53,42.42 37.74,42.42 38.4,41.76 38.4,41.55 37.9,41.05 37.85,41.05 37.49,41.4 34.54,41.4 34.42,41.53 34.04,41.53 33.53,42.04 33.53,43.05 33.66,43.18
VMMC on BOTTOM: 33.27,44.07 33.4,44.2 35.18,44.2 35.43,43.94 35.43,42.8 35.05,42.8 35.05,42.93 34.8,43.18 34.29,43.18 33.91,42.8 32.13,42.8 32.13,43.43 29.84,43.43 29.59,43.69 29.59,46.1 29.08,46.61 27.43,46.61 27.18,46.86 27.18,48.9 27.43,49.15 28.96,49.15 29.01,49.1 29.01,48.46 29.26,48.21 29.87,48.21 30.23,47.85 30.23,44.2 30.35,44.07
VMMC on BOTTOM: 20.02,19.76 20.02,21.54 20.98,22.5 20.98,22.71 21.49,23.22 21.69,23.22 21.95,22.96 21.95,22.71 21.39,22.15 21.39,20.22 20.93,19.76
VMMC on LYR4: 20.98,39.78 19.41,39.78 19.25,39.62 19.25,38.96 19.46,38.76 20.93,38.76 21.18,39.01 21.18,39.57
VMMC on LYR4: 28.7,48.21 29.77,48.21 29.87,48.11 29.87,47.19 29.62,46.94 28.96,46.94 28.65,47.24 28.65,48.16
VPROFI_SRC on LYR5_PWR: 24.13,60.96 24.13,58.42 23.62,57.91 17.27,57.91 16.76,58.42 16.76,61.21 16.26,61.72 7.52,61.72 7.51,61.72 7.51,61.58 6.88,60.96 6.88,57.19 6.66,56.96 5.16,56.96 4.46,56.26 1.38,56.26 1.21,56.42 1.21,65.45 1.55,65.79 19.3,65.79
VRTC on TOP: 22.71,46.74 23.11,46.33 23.72,46.33 23.88,46.48 23.88,47.6 23.93,47.65 25.32,47.65 25.48,47.8 25.48,49.5 25.35,49.63 23.06,49.63 22.71,49.28
VRTC on BOTTOM: 34.16,27.18 34.67,27.18 35.31,26.54 35.31,25.4 34.92,25.02 33.53,25.02 33.15,25.4 33.15,26.54 32.97,26.72 26.77,26.72 26.11,26.06 24.84,26.06 24.38,26.52 24.38,27.43 24.64,27.69 33.66,27.69
VRTC on LYR4: 42.04,39.88 41.53,39.88 41.27,39.62 41.27,36.96 41.25,36.93 41.25,35.97 41.72,35.5 42.21,35.5 42.53,35.81 42.53,35.82 42.6,35.89 42.6,37.47 42.29,37.77 42.29,39.62
VTT_DDR on TOP: 64.39,32.57 64.39,32.3 64.64,32.05 66.29,32.05 66.4,31.95 66.4,30.58 66.24,30.43 63.76,30.43 63.44,30.75 58.17,30.73 56.39,30.73 55.96,31.17 55.96,33.1 56.89,34.04 59.18,34.04 59.44,33.78 59.44,32.84 59.62,32.66 64.29,32.66
VTT_DDR on BOTTOM: 68.33,33.53 68.45,33.4 68.45,32.38 68.2,32.13 68.2,32 67.56,31.37 65.02,31.37 64.39,30.73 57.66,30.73 57.4,30.99 57.4,33.05 56.83,33.62 56.83,35.06 57.21,35.43 64.39,35.43 64.9,34.92 64.9,34.29 65.66,33.53
N17123334 on TOP: 19.37,5.94 19.56,5.94 19.56,6.1 19.68,5.97 20.07,5.97 20.32,6.22 26.16,6.22 26.16,5.08 19.68,5.08 19.37,5.4
N17123833 on TOP: 20.7,9.4 22.86,9.4 24.64,11.18 26.16,11.18 26.16,12.19 24.38,12.19 22.1,9.91 21.59,9.91 21.21,9.53 20.7,9.53
N28614111 on BOTTOM: 36.2,24.26 36.2,19.15 35.91,19.15 35.05,18.3 35.05,16.26 35.09,16.23 37.94,16.23 38.1,16.38 38.1,18.16 38.67,18.73 38.67,19.37 40.01,20.7 40.01,24.13 39.88,24.26 36.7,24.26 36.58,24.13 36.32,24.13

## Text on the board
BOTTOM: PN#3H0013 | LAYER 6  SECONDARY SIDE | 6
Ref Des/Silkscreen Bottom: 1 | MMC0/SD | LCD | SYS BOOT | JTAG | GND | 24V-IN | 125VDC, | SLOW BLOW | 4A | 125VAC,
User.Comments: PCB-002
TOP: LAYER 1 - PRIMARY SIDE | 1 | 6
Ref Des/Assembly Top: Assembly marking must match with marking in physical component(pin 4) | This marking does not refer pin1 | Note: | 1
Ref Des/Silkscreen Top: USB | GND | WARMRST | VDAC | 1 | VAUX33 | A | VCAN | GNDPROFI | VPROFI | PROFIBUS_A | CAN_GND/ | VAUX2 | VRTC | SPEED_LED | ETH_1 | SYS BOOT | VDDA_ADC | RMII | ETH1_MODE | MII | ETH0_MODE | SYSBOOT | SPEED-LED | SEQ. | ETH_0 | VDD_LED | PROFINET | ETHERNET | LEDS | ON | CAN_PROFIBUS | VDDS_DDR | HOST EXP 2 | HOST EXP 1 | ETH SLAVE ADD | VMMC | VAUX1 | Ethernet_1 | POWER | VDD2_SMPS_AM335X | VDD1_SMPS | _AM335X | V3_3D | Ethernet_0 | IO EXP 3 | DIGITAL OUTPUTS | 24VDC | 2.5A | SN#:__________ | ASSM PN#:4P0025 | ARM MPU | AM335X ICE BOARD | REV 2.1A | UL 94V0 | LCD DISPLAY
PAGE_OUTLINE: UNLESS OTHERWISE SPECIFIED | DIMENSIONS ARE IN INCH | TOLERANCES ON; | 2 PL DECIMALS + | 3 PL DECIMALS + | ANGLES + | FRACTIONS + | LAYOUT BY | REVIEWED BY | APPROVED BY | SIGNATURES | DATE | 2.0 A | 2.1 A | REV | ICE_V2 | ICE_V2_1 | DESCRIPTION | SCALE | SIZE | 1:1 | 11-06-12 | 04-18-12 | APPROVED | AM335x_ICE_3H0013_REV_2_1A | TEXAS INSTRUMENTS
User.8: SPC     (TOP PASTEMASK)
User.9: SPS     (BOTTOM PASTEMASK)
User.11: 2 | ASSEMBLY BOTTOM
User.12: ASSEMBLY TOP | 1 | 2
User.15: FABRICATION DRAWING | 1 | 2x45
User.16: LAYER 2 - GROUND PLANE | 2 | 6
User.17: LAYER 3 - SIGNAL LAYER 1 | 3 | 6
User.18: LAYER 4 - SIGNAL LAYER 2 | 4 | 6
User.19: LAYER 5 - POWER LAYER | 5 | 6
User.20: SOLDER MASK BOTTOM | 2
User.21: SOLDER MASK TOP | 1 | 2
User.22: SOLDER PASTE BOTTOM | 2
User.23: SOLDER PASTE TOP | 1 | 2
User.24: SILKSCREEN BOTTOM | 2
User.25: SILKSCREEN TOP | 1 | 2
User.28: TOP SIDE VIEW | BOTTOM SIDE VIEW
User.32: BOARD NAME: | BOARD NO: 3H0013 | CUSTOMER NAME: | ICE | TEXAS INSTRUMENTS | REV: 2.1A | DESCRIPTION: | DATE: 04/18/2013 | SH | OF
User.33: OF | SH | DATE:04/18/2013 | DESCRIPTION: | TEXAS INSTRUMENTS | REV:2.1A | ICE | BOARD NAME: | CUSTOMER NAME: | BOARD NO:3H0013
User.34: L1_TOP | L3_SIG1 | L4_SIG2 | L6_BOTTOM | LAYERS | (mils) | SINGLE-ENDED | TRACE | WIDTH | 4.75 | 5.0 | +/-10% | TARGET | Ohms | 50 | 5.1 | EDGE-COUPLED DIFFERENTIAL | SPACE | 6.9 | 90 | 4.0 | 8.0 | 100
User.45: 4. APPLY LPI SILKSCREEN OR EQUIVALENT PER THE ARTWORK. | COLOR: WHITE. | SOLDERMASK PADS TO MEET THEIR TOOLING REQUIREMENTS. | FABRICATION VENDOR IS ALLOWED TO ADJUST THE COMPONENT | CONFORM TO IPC-SM-840, CLASS H. CURRENT REV. | 3. SOLDERMASK ARTWORK HAS ZERO (0) OVERSIZED PADS. | 2. APPLY LPI SOLDERMASK OVER BARE COPPER (SMOBC), | COLOR: MID GREY. SOLDERMASK SHALL | IMMERSION GOLD, NICKEL 150 MICROINCHES THK MIN | FINISHED AS SMOOTH WALL BY VEDOR. | GOLD 5-15 MICROINCHES THK MIN. | PROCESS NOTES: | 1. PLATE ALL EXPOSED AREAS WITH ELECTROLESS | 9. ALL VIAS TO HAVE SOLDERMASK. | FLAMMABILITY RATING 94V-0 AND IT SHOULD BE MARKED ON BOARD. | 4. BOARD MATERIAL & CONSTRUCTION SHOULD MEET OR EXCEED UL | FAB NOTES: | 1. ALL DIMENSIONS ARE IN INCHES, UNLESS | OTHERWISE NOTED. | 2. THE PWB SHALL BE FABRICATED TO IPC-6012, | CLASS 2 AND WORKMANSHIP SHALL CONFORM TO | IPC-A-600, CLASS 2. CURRENT REVISIONS. | 3. BOARD MATERIAL SHALL BE 180 Tg/350 Td ISOLA FR-370 HR | OR EQUIVALENT, RoHS COMPLIANT AND LEAD FREE | ASSEMBLY CAPABLE.  BOARD MATERIAL SHALL | MEET OR EXCEED IPC-4101B. COLOR: NATURAL. | 5. MINIMUM COPPER WALL THICKNESS OF PLATED-THRU | HOLES TO BE .001 INCH, WITH A MINIMUM | ANNULAR RING OF .002 INCH. | 6. OVERALL BOARD THICKNESS TO BE .063 +/- 10% | AND APPLIES AFTER ALL LAMINATION AND PLATING | PROCESSES, MEASURED FROM COPPER TO COPPER. | 7. MAX. WARP & TWIST TO BE .0075 INCHES PER INCH. | 8. BOARD MUST BE ELECTRICALLY TESTED USING | SUPPLIED IPC-D-356 NETLIST. | NOTE : | IMPEDANCE REQUIREMENT :- THIS DESIGN MAY NOT CONTAIN ALL THE FEATURES | LISTED IN THE ABOVE TABLE | FIGURE | SIZE | 8.0 | 12.0 | 28.0 | 35.0 | 35.04 | 40.0 | 40.16 | 50.0 | 67.0 | 120.0 | 138.0 | 140.0 | 59.0 | 125.98 | DRILL CHART: TOP to BOTTOM | ALL UNITS ARE IN MILS | TOLERANCE | +3.0/-3.0 | +0.0/-0.0 | +7.87/-7.87 | +5.0/-5.0 | +3.94/-3.94 | PLATED | NON-PLATED | QTY | 1028 | 506 | 12 | 58 | 16 | 6 | 4 | 38 | 2 | 1
